# Altium PCB HOST拼板.PcbDoc (part 3 of 4) (continued)
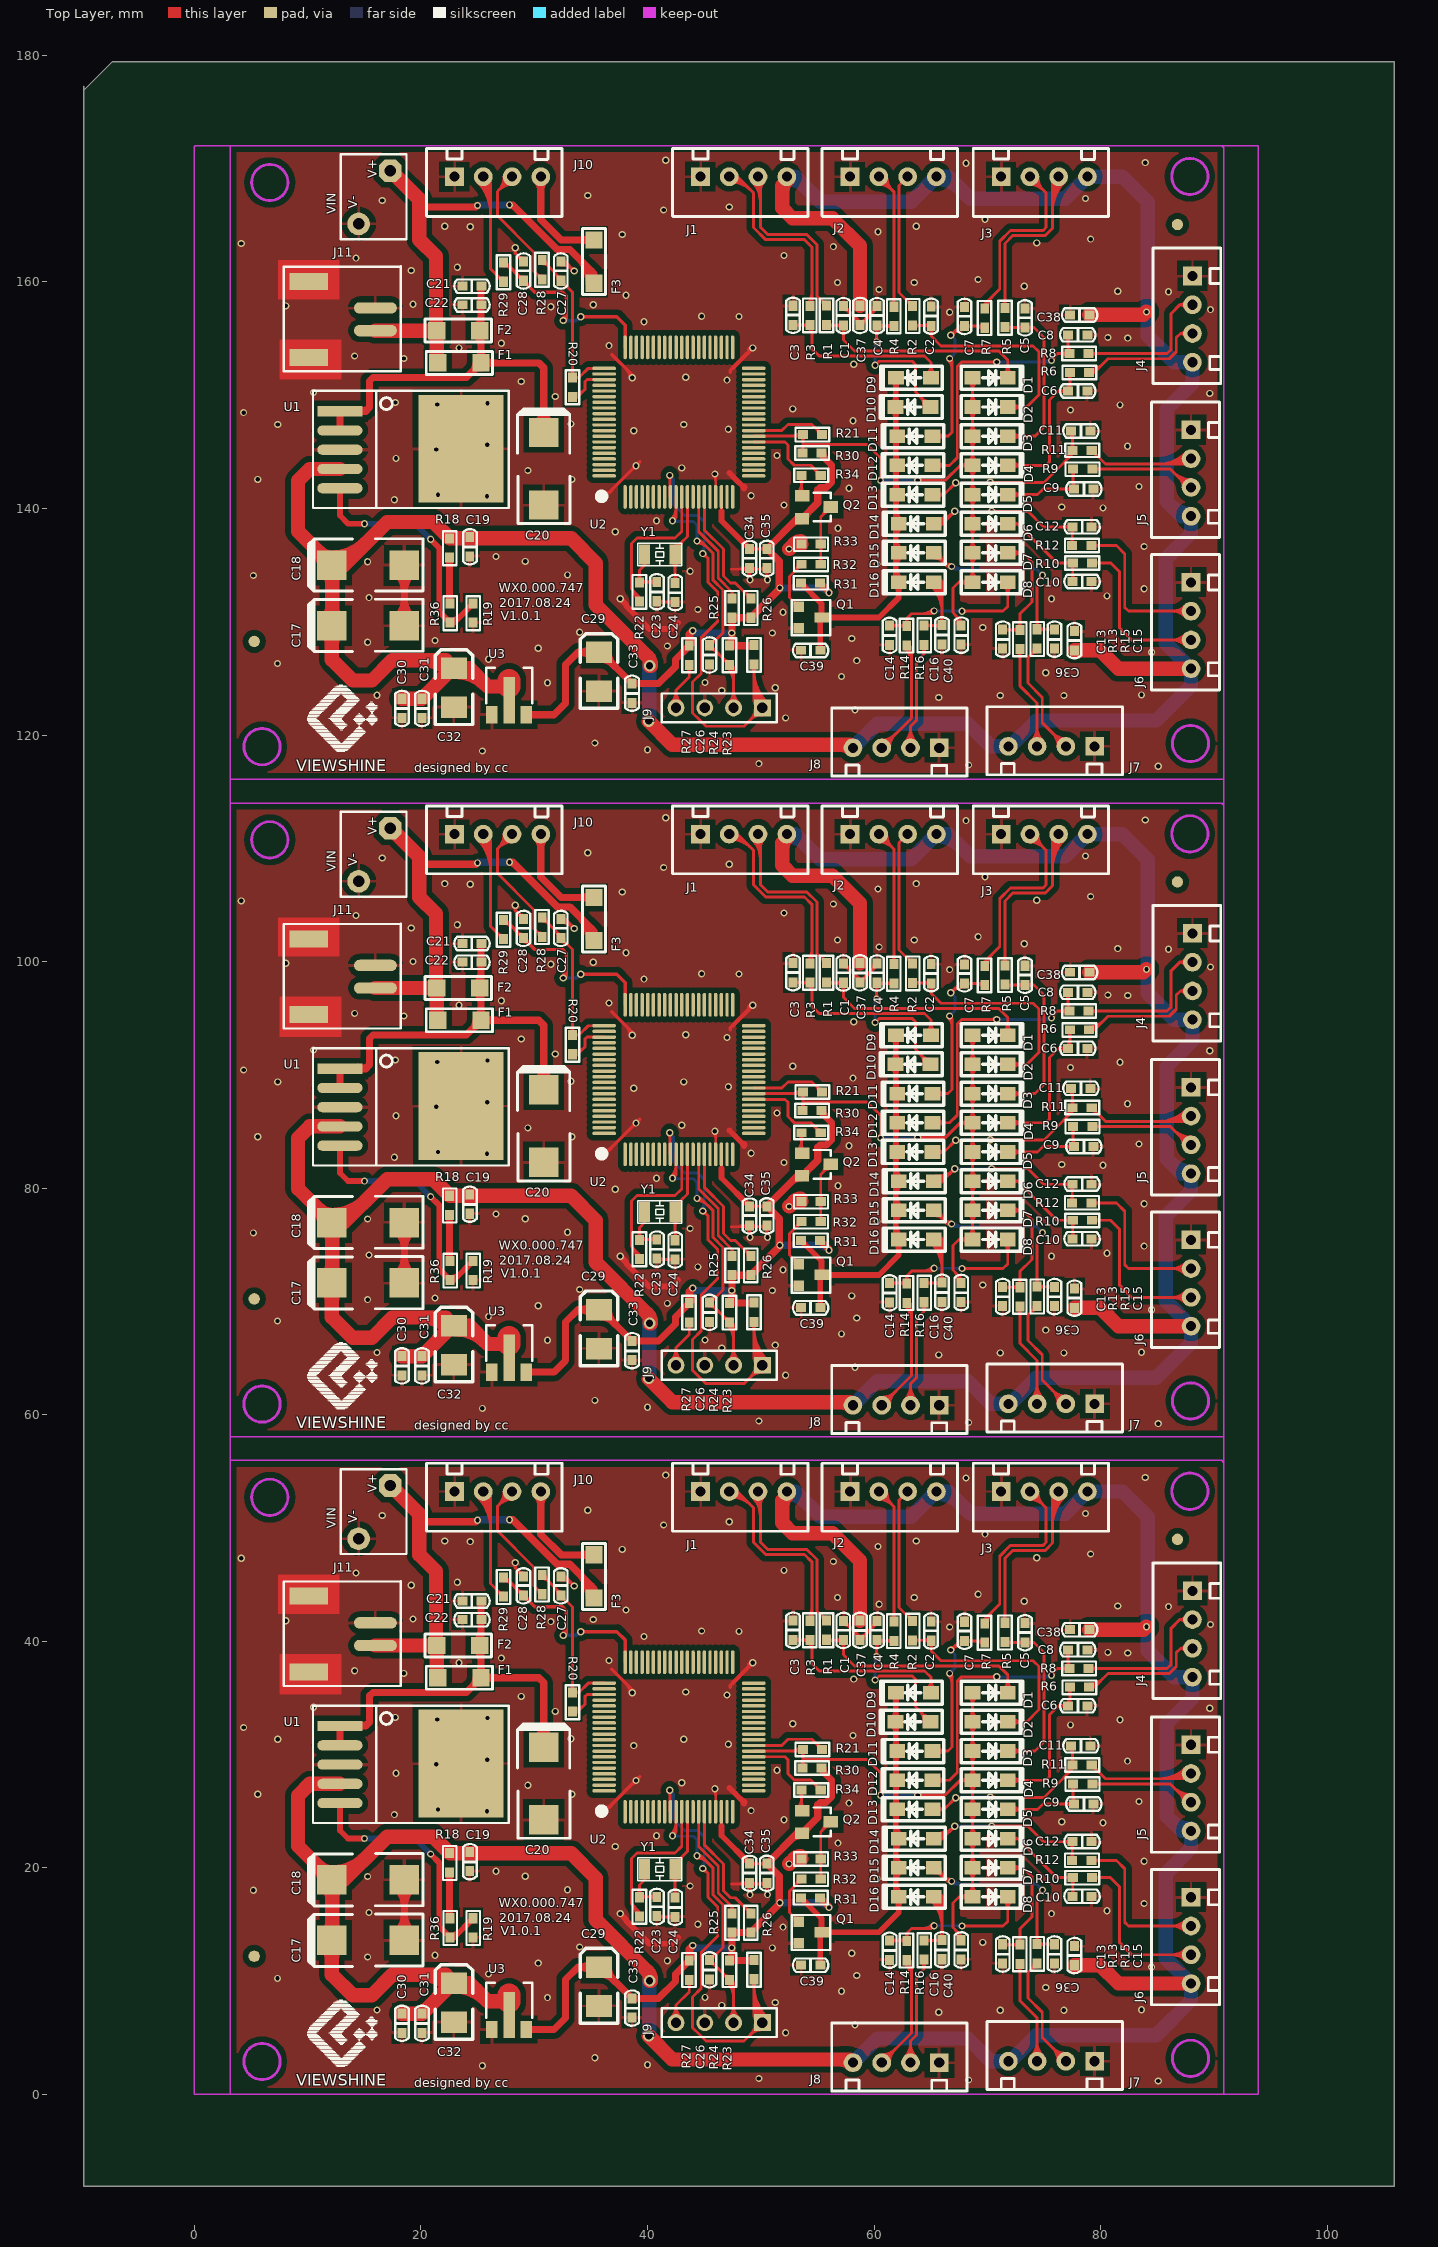
[diagram p0: Top Layer view]
## Nets (pads, with @x,y where several pads share a name; then routed paths per layer and width w, separated by ;. In a path a pad name is that pad's centre, name@x,y a point inside that pad or via, vN(x,y) a via of type N, cw(c..) or ccw(c..) an arc to the next point about the centre after c; other vN are vias at no path point) (continued)
76.813,80.34 ccw(c76.813,80.984) 77.268,80.529 ; 77.268,88.61 cw(c76.659,88.001) 77.521,88.001 ; 77.268,138.191 ccw(c76.813,137.735) 76.813,138.379 ccw(c76.813,139.023) 77.268,138.568 ; 77.268,146.649 cw(c76.659,146.04) 77.521,146.04 ; 77.307,18.938 ccw(c76.852,18.482) 76.852,19.126 ccw(c76.852,19.77) 77.307,19.315 ; 77.307,20.839 ccw(c76.852,21.294) 77.495,21.294 ccw(c78.139,21.294) 77.684,20.839 ; 77.307,76.977 ccw(c76.852,76.521) 76.852,77.165 ccw(c76.852,77.809) 77.307,77.354 ; 77.307,78.878 ccw(c76.852,79.333) 77.495,79.333 ccw(c78.139,79.333) 77.684,78.878 ; 77.307,135.016 ccw(c76.852,134.56) 76.852,135.204 ccw(c76.852,135.848) 77.307,135.393 ; 77.307,136.917 ccw(c76.852,137.372) 77.495,137.372 ccw(c78.139,137.372) 77.684,136.917 ; 77.319,22.113 cw(c76.894,21.687) 77.495,21.687 ; 77.319,80.152 cw(c76.894,79.726) 77.495,79.726 ; 77.319,138.191 cw(c76.894,137.765) 77.495,137.765 ; 77.332,29.246 ccw(c76.877,29.701) 77.521,29.701 ccw(c78.165,29.701) 77.709,29.246 ; 77.332,87.285 ccw(c76.877,87.74) 77.521,87.74 ccw(c78.165,87.74) 77.709,87.285 ; 77.332,145.324 ccw(c76.877,145.779) 77.521,145.779 ccw(c78.165,145.779) 77.709,145.324 ; 77.358,18.938 cw(c76.902,18.482) 77.546,18.482 cw(c78.19,18.482) 77.735,18.938 ; 77.358,76.977 cw(c76.902,76.521) 77.546,76.521 cw(c78.19,76.521) 77.735,76.977 ; 77.358,135.016 cw(c76.902,134.56) 77.546,134.56 cw(c78.19,134.56) 77.735,135.016 ; 77.37,17.664 ccw(c76.945,18.089) 77.546,18.089 ; 77.37,75.703 ccw(c76.945,76.128) 77.546,76.128 ; 77.37,133.742 ccw(c76.945,134.167) 77.546,134.167 ; 77.383,27.218 cw(c76.928,26.763) 77.572,26.763 cw(c78.215,26.763) 77.76,27.218 ; 77.383,85.257 cw(c76.928,84.802) 77.572,84.802 cw(c78.215,84.802) 77.76,85.257 ; 77.383,143.296 cw(c76.928,142.841) 77.572,142.841 cw(c78.215,142.841) 77.76,143.296 ; 77.421,25.44 ccw(c76.966,24.985) 76.966,25.629 ccw(c76.966,26.272) 77.421,25.817 ccw(c77.057,26.181) 77.572,26.181 ; 77.421,83.479 ccw(c76.966,83.024) 76.966,83.668 ccw(c76.966,84.311) 77.421,83.856 ccw(c77.057,84.22) 77.572,84.22 ; 77.421,141.518 ccw(c76.966,141.063) 76.966,141.707 ccw(c76.966,142.35) 77.421,141.895 ccw(c77.057,142.259) 77.572,142.259 ; 77.495,21.627 cw(c78.182,21.627) 77.696,22.113 ; 77.495,79.666 cw(c78.182,79.666) 77.696,80.152 ; 77.495,137.705 cw(c78.182,137.705) 77.696,138.191 ; 77.508,17.475 77.546,17.514 77.546,19.126 76.124,19.126 72.673,22.577 ; 77.508,75.514 77.546,75.553 77.546,77.165 76.124,77.165 72.673,80.616 ; 77.508,133.553 77.546,133.592 77.546,135.204 76.124,135.204 72.673,138.655 ; 77.521,30.269 cw(c77.947,30.269) 77.646,30.571 ; 77.521,88.308 cw(c77.947,88.308) 77.646,88.61 ; 77.521,146.347 cw(c77.947,146.347) 77.646,146.649 ; 77.546,18.149 ccw(c78.233,18.149) 77.747,17.664 ; 77.546,76.188 ccw(c78.233,76.188) 77.747,75.703 ; 77.546,134.227 ccw(c78.233,134.227) 77.747,133.742 ; 77.572,26.364 ccw(c78.345,26.364) 77.798,25.817 ; 77.572,84.403 ccw(c78.345,84.403) 77.798,83.856 ; 77.572,142.442 ccw(c78.345,142.442) 77.798,141.895 ; 78.943,37.592 85.877,37.592 86.233,37.948 86.233,41.148 86.995,41.91 ; 78.943,95.631 85.877,95.631 86.233,95.987 86.233,99.187 86.995,99.949 ; 78.943,153.67 85.877,153.67 86.233,154.026 86.233,157.226 86.995,157.988 ; 78.994,35.941 79.446,35.941 ; 78.994,93.98 79.446,93.98 ; 78.994,152.019 79.446,152.019 ; 79.045,35.954 ccw(c79.045,36.953) 79.752,36.246 ; 79.045,36.208 ccw(c79.045,37.82) 80.185,36.68 ; 79.045,93.993 ccw(c79.045,94.992) 79.752,94.285 ; 79.045,94.247 ccw(c79.045,95.859) 80.185,94.719 ; 79.045,152.032 ccw(c79.045,153.031) 79.752,152.324 ; 79.045,152.286 ccw(c79.045,153.898) 80.185,152.758 ; 79.183,37.403 cw(c79.638,36.948) 79.638,37.592 cw(c79.638,38.236) 79.183,37.781 ; 79.183,95.442 cw(c79.638,94.987) 79.638,95.631 cw(c79.638,96.275) 79.183,95.82 ; 79.183,153.481 cw(c79.638,153.026) 79.638,153.67 cw(c79.638,154.314) 79.183,153.859 ; 79.197,20.65 81.407,20.65 82.139,19.919 82.139,15.189 82.469,14.859 87.986,14.859 ; 79.197,78.689 81.407,78.689 82.139,77.958 82.139,73.228 82.469,72.898 87.986,72.898 ; 79.197,136.728 81.407,136.728 82.139,135.997 82.139,131.267 82.469,130.937 87.986,130.937 ; 79.223,29.058 80.421,27.859 87.523,27.859 87.986,28.321 ; 79.223,87.097 80.421,85.898 87.523,85.898 87.986,86.36 ; 79.223,145.136 80.421,143.937 87.523,143.937 87.986,144.399 ; 79.248,19.126 80.874,19.126 81.686,18.313 81.686,13.386 82.753,12.319 87.986,12.319 ; 79.248,77.165 80.874,77.165 81.686,76.352 81.686,71.425 82.753,70.358 87.986,70.358 ; 79.248,135.204 80.874,135.204 81.686,134.391 81.686,129.464 82.753,128.397 87.986,128.397 ; 79.273,27.407 86.157,27.407 87.782,25.781 87.986,25.781 ; 79.273,28.791 cw(c79.273,28.27) 79.642,28.638 ; 79.273,85.446 86.157,85.446 87.782,83.82 87.986,83.82 ; 79.273,86.83 cw(c79.273,86.309) 79.642,86.677 ; 79.273,143.485 86.157,143.485 87.782,141.859 87.986,141.859 ; 79.273,144.869 cw(c79.273,144.348) 79.642,144.716 ; 79.291,35.838 cw(c79.446,35.772) 79.446,35.941 ; 79.291,36.044 ccw(c79.446,36.11) 79.446,35.941 ; 79.291,93.877 cw(c79.446,93.811) 79.446,93.98 ; 79.291,94.083 ccw(c79.446,94.149) 79.446,93.98 ; 79.291,151.916 cw(c79.446,151.85) 79.446,152.019 ; 79.291,152.122 ccw(c79.446,152.188) 79.446,152.019 ; 79.437,20.462 cw(c79.892,20.006) 79.892,20.65 cw(c79.892,21.294) 79.437,20.839 ; 79.437,78.501 cw(c79.892,78.045) 79.892,78.689 cw(c79.892,79.333) 79.437,78.878 ; 79.437,136.54 cw(c79.892,136.084) 79.892,136.728 cw(c79.892,137.372) 79.437,136.917 ; 79.487,18.938 cw(c79.943,18.482) 79.943,19.126 cw(c79.943,19.77) 79.487,19.315 ; 79.487,76.977 cw(c79.943,76.521) 79.943,77.165 cw(c79.943,77.809) 79.487,77.354 ; 79.487,135.016 cw(c79.943,134.56) 79.943,135.204 cw(c79.943,135.848) 79.487,135.393 ; 79.513,27.218 cw(c79.968,26.763) 79.968,27.407 cw(c79.968,28.05) 79.513,27.595 ; 79.513,85.257 cw(c79.968,84.802) 79.968,85.446 cw(c79.968,86.089) 79.513,85.634 ; 79.513,143.296 cw(c79.968,142.841) 79.968,143.485 cw(c79.968,144.128) 79.513,143.673 ; 79.54,29.058 ccw(c80.307,29.058) 79.765,28.516 ; 79.54,87.097 ccw(c80.307,87.097) 79.765,86.555 ; 79.54,145.136 ccw(c80.307,145.136) 79.765,144.594 ; 85.183,27.859 ccw(c85.183,31.123) 87.492,28.815 ; 85.183,85.898 ccw(c85.183,89.162) 87.492,86.854 ; 85.183,143.937 ccw(c85.183,147.201) 87.492,144.893 ; 85.796,27.859 ccw(c85.796,30.51) 87.671,28.635 ; 85.796,85.898 ccw(c85.796,88.549) 87.671,86.674 ; 85.796,143.937 ccw(c85.796,146.588) 87.671,144.713 ; 86.41,27.859 ccw(c86.41,29.897) 87.851,28.456 ; 86.41,85.898 ccw(c86.41,87.936) 87.851,86.495 ; 86.41,143.937 ccw(c86.41,145.975) 87.851,144.534 ; 86.446,27.117 ccw(c87.986,28.656) 87.986,26.479 ; 86.446,85.156 ccw(c87.986,86.695) 87.986,84.519 ; 86.446,143.195 ccw(c87.986,144.734) 87.986,142.558 ; 86.88,26.683 ccw(c87.986,27.789) 87.986,26.226 ; 86.88,84.722 ccw(c87.986,85.828) 87.986,84.264 ; 86.88,142.761 ccw(c87.986,143.867) 87.986,142.303 ; 86.937,26.627 cw(c86.091,25.781) 87.287,25.781 ; 86.937,84.666 cw(c86.091,83.82) 87.287,83.82 ; 86.937,142.705 cw(c86.091,141.859) 87.287,141.859 ; 87.023,27.859 ccw(c87.023,29.284) 88.031,28.276 ; 87.023,85.898 ccw(c87.023,87.323) 88.031,86.315 ; 87.023,143.937 ccw(c87.023,145.362) 88.031,144.354 ; 87.472,39.091 ccw(c87.046,38.905) 87.046,39.37 ; 87.472,39.649 cw(c87.046,39.835) 87.046,39.37 ; 87.472,97.13 ccw(c87.046,96.944) 87.046,97.409 ; 87.472,97.688 cw(c87.046,97.874) 87.046,97.409 ; 87.472,155.169 ccw(c87.046,154.983) 87.046,155.448 ; 87.472,155.727 cw(c87.046,155.913) 87.046,155.448 ; 87.485,41.604 ccw(c86.995,41.365) 86.995,41.91 ; 87.485,42.216 cw(c86.995,42.455) 86.995,41.91 ; 87.485,99.643 ccw(c86.995,99.404) 86.995,99.949 ; 87.485,100.255 cw(c86.995,100.494) 86.995,99.949 ; 87.485,157.682 ccw(c86.995,157.443) 86.995,157.988 ; 87.485,158.294 cw(c86.995,158.533) 86.995,157.988 ; 87.492,11.825 ccw(c86.299,10.633) 86.299,12.319 ccw(c86.299,14.005) 87.492,12.813 ; 87.492,14.365 ccw(c86.299,13.173) 86.299,14.859 ccw(c86.299,16.545) 87.492,15.353 ; 87.492,69.864 ccw(c86.299,68.672) 86.299,70.358 ccw(c86.299,72.044) 87.492,70.852 ; 87.492,72.404 ccw(c86.299,71.212) 86.299,72.898 ccw(c86.299,74.584) 87.492,73.392 ; 87.492,127.903 ccw(c86.299,126.711) 86.299,128.397 ccw(c86.299,130.083) 87.492,128.891 ; 87.492,130.443 ccw(c86.299,129.251) 86.299,130.937 ccw(c86.299,132.623) 87.492,131.431 ; 87.671,12.005 ccw(c86.912,11.246) 86.912,12.319 ccw(c86.912,13.392) 87.671,12.633 ; 87.671,14.545 ccw(c86.912,13.786) 86.912,14.859 ccw(c86.912,15.932) 87.671,15.173 ; 87.671,70.044 ccw(c86.912,69.285) 86.912,70.358 ccw(c86.912,71.431) 87.671,70.672 ; 87.671,72.584 ccw(c86.912,71.825) 86.912,72.898 ccw(c86.912,73.971) 87.671,73.212 ; 87.671,128.083 ccw(c86.912,127.324) 86.912,128.397 ccw(c86.912,129.47) 87.671,128.711 ; 87.671,130.623 ccw(c86.912,129.864) 86.912,130.937 ccw(c86.912,132.01) 87.671,131.251 ; 88.113,39.37 87.046,39.37 ; 88.113,41.91 86.995,41.91 ; 88.113,97.409 87.046,97.409 ; 88.113,99.949 86.995,99.949 ; 88.113,155.448 87.046,155.448 ; 88.113,157.988 86.995,157.988 ; 33.376,41.046 33.376,35.484 33.96,35.484 ; 33.376,99.085 33.376,93.523 33.96,93.523 ; 33.376,157.124 33.376,151.562 33.96,151.562 ; 33.833,33.782 34.468,34.417 ; 33.833,91.821 34.468,92.456 ; 33.833,149.86 34.468,150.495 ; 44.704,21.057 45.799,19.962 45.799,17.591 46.66,16.73 46.66,12.954 45.555,11.849 45.504,11.849 ; 44.704,79.096 45.799,78.001 45.799,75.63 46.66,74.769 46.66,70.993 45.555,69.888 45.504,69.888 ; 44.704,137.135 45.799,136.04 45.799,133.669 46.66,132.808 46.66,129.032 45.555,127.927 45.504,127.927 ; 48.833,18.417 ccw(c48.5,18.083) 48.5,18.555 cw(c48.5,18.083) 48.833,18.417 ; 48.833,76.456 ccw(c48.5,76.122) 48.5,76.594 cw(c48.5,76.122) 48.833,76.456 ; 48.833,134.495 ccw(c48.5,134.161) 48.5,134.633 cw(c48.5,134.161) 48.833,134.495 ; 67.513,17.424 68.707,17.424 68.707,20.001 68.707,22.577 68.707,25.153 68.707,27.73 ; 67.513,75.463 68.707,75.463 68.707,78.04 68.707,80.616 68.707,83.192 68.707,85.769 ; 67.513,133.502 68.707,133.502 68.707,136.079 68.707,138.655 68.707,141.231 68.707,143.808 ; 67.608,27.73 68.707,27.73 ; 67.608,85.769 68.707,85.769 ; 67.608,143.808 68.707,143.808 ; 79.446,35.941 80.645,37.14 86.065,37.14 86.685,37.76 86.685,39.009 87.046,39.37 ; 79.446,93.98 80.645,95.179 86.065,95.179 86.685,95.799 86.685,97.048 87.046,97.409 ; 79.446,152.019 80.645,153.218 86.065,153.218 86.685,153.838 86.685,155.087 87.046,155.448 ; 48.257,18.555 ccw(c48.257,19.371) 48.833,18.794 cw(c48.257,19.371) 48.257,18.555 ; 48.257,76.594 ccw(c48.257,77.41) 48.833,76.833 cw(c48.257,77.41) 48.257,76.594 ; 48.257,134.633 ccw(c48.257,135.449) 48.833,134.872 cw(c48.257,135.449) 48.257,134.633 ; 64.02,33.86 cw(c63.042,32.882) 64.426,32.882 ccw(c63.042,32.882) 64.02,33.86 ; 64.02,91.899 cw(c63.042,90.921) 64.426,90.921 ccw(c63.042,90.921) 64.02,91.899 ; 64.02,149.938 cw(c63.042,148.96) 64.426,148.96 ccw(c63.042,148.96) 64.02,149.938 ; 64.262,33.619 ccw(c64.899,34.256) 64.899,33.355 cw(c64.899,34.256) 64.262,33.619 ; 64.262,91.658 ccw(c64.899,92.295) 64.899,91.394 cw(c64.899,92.295) 64.262,91.658 ; 64.262,149.697 ccw(c64.899,150.334) 64.899,149.433 cw(c64.899,150.334) 64.262,149.697 ; 64.454,33.427 cw(c63.909,32.882) 64.68,32.882 ccw(c63.909,32.882) 64.454,33.427 ; 64.454,91.466 cw(c63.909,90.921) 64.68,90.921 ccw(c63.909,90.921) 64.454,91.466 ; 64.454,149.505 cw(c63.909,148.96) 64.68,148.96 ccw(c63.909,148.96) 64.454,149.505
  Top Layer w0.305: 20.054,5.461 20.091,5.423 ; 20.054,63.5 20.091,63.462 ; 20.054,121.539 20.091,121.501 ; 27.28,45.352 cw(c27.28,44.248) 28.06,45.029 ; 27.28,45.644 27.444,45.644 29.058,44.031 30.061,43.028 32.512,43.028 32.842,42.697 32.842,40.792 v1(32.563,40.513) ; 27.28,103.391 cw(c27.28,102.287) 28.06,103.068 ; 27.28,103.683 27.444,103.683 29.058,102.07 30.061,101.067 32.512,101.067 32.842,100.736 32.842,98.831 v1(32.563,98.552) ; 27.28,161.43 cw(c27.28,160.326) 28.06,161.107 ; 27.28,161.722 27.444,161.722 29.058,160.109 30.061,159.106 32.512,159.106 32.842,158.775 32.842,156.87 v1(32.563,156.591) ; v1@28.204,46.822 cw(c27.922,46.541) 28.321,46.541 cw(c28.72,46.541) v1@28.438,46.822 ; v1@28.204,104.861 cw(c27.922,104.58) 28.321,104.58 cw(c28.72,104.58) v1@28.438,104.861 ; v1@28.204,162.9 cw(c27.922,162.619) 28.321,162.619 cw(c28.72,162.619) v1@28.438,162.9 ; v1(28.321,46.939) 28.321,46.469 29.058,45.732 ; v1(28.321,104.978) 28.321,104.508 29.058,103.771 ; v1(28.321,163.017) 28.321,162.547 29.058,161.81 ; 28.559,44.529 ccw(c29.058,45.028) 29.058,44.323 ; 28.559,46.231 ccw(c29.058,46.73) 29.058,46.025 ; 28.559,102.568 ccw(c29.058,103.067) 29.058,102.362 ; 28.559,104.27 ccw(c29.058,104.769) 29.058,104.064 ; 28.559,160.607 ccw(c29.058,161.106) 29.058,160.401 ; 28.559,162.309 ccw(c29.058,162.808) 29.058,162.103 ; 28.682,44.407 cw(c28.356,44.081) 28.816,44.081 ; 28.682,46.108 cw(c28.356,45.783) 28.816,45.783 ; 28.682,102.446 cw(c28.356,102.12) 28.816,102.12 ; 28.682,104.147 cw(c28.356,103.822) 28.816,103.822 ; 28.682,160.485 cw(c28.356,160.159) 28.816,160.159 ; 28.682,162.186 cw(c28.356,161.861) 28.816,161.861 ; 29.058,43.739 cw(c29.058,43.033) 29.556,43.532 ; 29.058,101.778 cw(c29.058,101.072) 29.556,101.571 ; 29.058,159.817 cw(c29.058,159.111) 29.556,159.61 ; 29.299,43.98 ccw(c29.759,43.98) 29.434,43.655 ; 29.299,102.019 ccw(c29.759,102.019) 29.434,101.694 ; 29.299,160.058 ccw(c29.759,160.058) 29.434,159.733 ; 32.36,45.44 cw(c32.36,43.968) v1@33.401,45.009 ; 32.36,45.732 32.677,45.732 v1(33.528,44.882) ; 32.36,45.745 cw(c32.36,45.009) 32.88,45.529 ; 32.36,103.479 cw(c32.36,102.007) v1@33.401,103.048 ; 32.36,103.771 32.677,103.771 v1(33.528,102.921) ; 32.36,103.784 cw(c32.36,103.048) 32.88,103.568 ; 32.36,161.518 cw(c32.36,160.046) v1@33.401,161.087 ; 32.36,161.81 32.677,161.81 v1(33.528,160.96) ; 32.36,161.823 cw(c32.36,161.087) 32.88,161.607 ; v1@32.446,40.63 ccw(c31.49,41.586) 32.842,41.586 ; v1@32.446,98.669 ccw(c31.49,99.625) 32.842,99.625 ; v1@32.446,156.708 ccw(c31.49,157.664) 32.842,157.664 ; v1@32.662,40.414 ccw(c32.226,40.85) 32.842,40.85 ; v1@32.662,98.453 ccw(c32.226,98.889) 32.842,98.889 ; v1@32.662,156.492 ccw(c32.226,156.928) 32.842,156.928 ; v1@33.363,44.882 ccw(c32.964,44.882) 33.246,45.164 ccw(c33.528,45.445) v1@33.528,45.047 ; v1@33.363,102.921 ccw(c32.964,102.921) 33.246,103.203 ccw(c33.528,103.484) v1@33.528,103.086 ; v1@33.363,160.96 ccw(c32.964,160.96) 33.246,161.242 ccw(c33.528,161.523) v1@33.528,161.125 ; v1(34.112,40.843) 37.287,40.843 38.023,40.107 38.023,38.147 ; v1(34.112,98.882) 37.287,98.882 38.023,98.146 38.023,96.186 ; v1(34.112,156.921) 37.287,156.921 38.023,156.185 38.023,154.225 ; v1@34.229,40.726 cw(c34.511,40.445) 34.511,40.843 cw(c34.511,41.242) v1@34.229,40.96 ; v1@34.229,98.765 cw(c34.511,98.484) 34.511,98.882 cw(c34.511,99.281) v1@34.229,98.999 ; v1@34.229,156.804 cw(c34.511,156.523) 34.511,156.921 cw(c34.511,157.32) v1@34.229,157.038 ; 36.17,25.324 36.601,25.324 36.995,25.717 ; 36.17,83.363 36.601,83.363 36.995,83.757 ; 36.17,141.402 36.601,141.402 36.995,141.796 ; 36.83,25.552 36.995,25.717 ; 36.83,83.591 36.995,83.757 ; 36.83,141.63 36.995,141.796 ; 36.855,37.516 38.659,35.712 v1(38.659,35.458) ; 36.855,95.555 38.659,93.751 v1(38.659,93.497) ; 36.855,153.594 38.659,151.79 v1(38.659,151.536) ; 38.197,36.174 cw(c37.482,35.458) v1@38.494,35.458 ; 38.197,94.213 cw(c37.482,93.497) v1@38.494,93.497 ; 38.197,152.252 cw(c37.482,151.536) v1@38.494,151.536 ; v1@38.814,27.702 cw(c38.416,27.702) 38.698,27.42 cw(c38.979,27.138) v1@38.979,27.537 ; v1@38.814,85.741 cw(c38.416,85.741) 38.698,85.459 cw(c38.979,85.177) v1@38.979,85.576 ; v1@38.814,143.78 cw(c38.416,143.78) 38.698,143.498 cw(c38.979,143.216) v1@38.979,143.615 ; v1@38.979,27.867 ccw(c38.979,28.266) 39.261,27.984 ccw(c39.543,27.702) v1@39.145,27.702 ; v1@38.979,85.906 ccw(c38.979,86.305) 39.261,86.023 ccw(c39.543,85.741) v1@39.145,85.741 ; v1@38.979,143.945 ccw(c38.979,144.344) 39.261,144.062 ccw(c39.543,143.78) v1@39.145,143.78 ; 39.319,28.042 v1(38.979,27.702) 36.995,25.717 ; 39.319,86.081 v1(38.979,85.741) 36.995,83.757 ; 39.319,144.12 v1(38.979,143.78) 36.995,141.796 ; 47.32,35.941 47.32,36.119 48.781,37.579 ; 47.32,93.98 47.32,94.158 48.781,95.618 ; 47.32,152.019 47.32,152.197 48.781,153.657 ; 57.302,41.503 cw(c57.302,40.798) 57.801,41.297 ; 57.302,41.795 58.759,40.339 58.759,40.12 60.266,41.627 60.266,41.795 ; 57.302,99.542 cw(c57.302,98.837) 57.801,99.336 ; 57.302,99.834 58.759,98.378 58.759,98.159 60.266,99.666 60.266,99.834 ; 57.302,157.581 cw(c57.302,156.876) 57.801,157.375 ; 57.302,157.873 58.759,156.417 58.759,156.198 60.266,157.705 60.266,157.873 ; 57.544,41.745 ccw(c58.004,41.745) 57.678,41.419 ; 57.544,99.784 ccw(c58.004,99.784) 57.678,99.458 ; 57.544,157.823 ccw(c58.004,157.823) 57.678,157.497 ; 58.227,40.871 cw(c57.527,40.17) 58.517,40.17 ; 58.227,98.91 cw(c57.527,98.209) 58.517,98.209 ; 58.227,156.949 cw(c57.527,156.248) 58.517,156.248 ; 58.759,40.412 ccw(c58.759,41.117) 59.257,40.618 ; 58.759,98.451 ccw(c58.759,99.156) 59.257,98.657 ; 58.759,156.49 ccw(c58.759,157.195) 59.257,156.696 ; 59,40.17 cw(c59.46,40.17) 59.135,40.496 ; 59,98.209 cw(c59.46,98.209) 59.135,98.535 ; 59,156.248 cw(c59.46,156.248) 59.135,156.574 ; 59.77,41.131 ccw(c59.157,41.745) 60.024,41.745 ; 59.77,99.17 ccw(c59.157,99.784) 60.024,99.784 ; 59.77,157.209 ccw(c59.157,157.823) 60.024,157.823
  Top Layer w0.381: 47.498,36.297 48.781,37.579 48.997,37.795 48.997,37.973 ; 47.498,94.336 48.781,95.618 48.997,95.834 48.997,96.012 ; 47.498,152.375 48.781,153.657 48.997,153.873 48.997,154.051
  Top Layer w0.508: 12.709,25.57 cw(c12.375,25.235) 12.848,25.235 cw(c13.321,25.235) 12.986,25.57 ; 12.709,83.609 cw(c12.375,83.274) 12.848,83.274 cw(c13.321,83.274) 12.986,83.609 ; 12.709,141.648 cw(c12.375,141.313) 12.848,141.313 cw(c13.321,141.313) 12.986,141.648 ; 12.848,25.708 12.848,23.296 13.564,22.581 v1(15.011,22.581) ; 12.848,83.747 12.848,81.335 13.564,80.62 v1(15.011,80.62) ; 12.848,141.786 12.848,139.374 13.564,138.659 v1(15.011,138.659) ; v1(20.853,21.209) 21.615,20.447 21.615,14.808 22.581,13.843 22.911,13.843 24.613,15.545 ; v1(20.853,79.248) 21.615,78.486 21.615,72.847 22.581,71.882 22.911,71.882 24.613,73.584 ; v1(20.853,137.287) 21.615,136.525 21.615,130.886 22.581,129.921 22.911,129.921 24.613,131.623 ; 22.255,14.168 ccw(c22.581,14.493) 22.581,14.034 ccw(c22.581,15.291) 23.469,14.402 ; 22.255,72.207 ccw(c22.581,72.532) 22.581,72.072 ccw(c22.581,73.33) 23.469,72.441 ; 22.255,130.246 ccw(c22.581,130.571) 22.581,130.112 ccw(c22.581,131.369) 23.469,130.48 ; 24.287,15.22 cw(c24.613,14.894) 24.613,15.354 ; 24.287,73.259 cw(c24.613,72.933) 24.613,73.393 ; 24.287,131.298 cw(c24.613,130.972) 24.613,131.432 ; v1(37.592,15.951) 38.125,15.418 38.125,15.316 40.157,13.284 42.139,13.284 42.697,13.843 ; v1(37.592,73.99) 38.125,73.457 38.125,73.355 40.157,71.323 42.139,71.323 42.697,71.882 ; v1(37.592,132.029) 38.125,131.496 38.125,131.394 40.157,129.362 42.139,129.362 42.697,129.921 ; 46.533,23.686 46.533,22.847 49.022,20.358 ; 46.533,81.725 46.533,80.886 49.022,78.397 ; 46.533,139.764 46.533,138.925 49.022,136.436 ; 47.244,27.051 47.783,26.512 48.514,25.781 48.514,25.679 ; 47.244,85.09 47.783,84.551 48.514,83.82 48.514,83.718 ; 47.244,143.129 47.783,142.59 48.514,141.859 48.514,141.757 ; 48.697,20.683 ccw(c49.022,21.008) 49.022,20.548 ; 48.697,78.722 ccw(c49.022,79.047) 49.022,78.587 ; 48.697,136.761 ccw(c49.022,137.086) 49.022,136.626 ; 53.543,17.348 55.372,15.519 55.372,14.3 ; 53.543,75.387 55.372,73.558 55.372,72.339 ; 53.543,133.426 55.372,131.597 55.372,130.378 ; 53.734,17.348 ccw(c54.194,17.348) 53.868,17.023 ; 53.734,75.387 ccw(c54.194,75.387) 53.868,75.062 ; 53.734,133.426 ccw(c54.194,133.426) 53.868,133.101 ; 55.051,14.157 cw(c54.55,13.656) 55.258,13.656 ; 55.051,72.196 cw(c54.55,71.695) 55.258,71.695 ; 55.051,130.235 cw(c54.55,129.734) 55.258,129.734 ; 55.228,14.444 ccw(c54.881,14.791) 55.372,14.791 ccw(c55.863,14.791) 55.516,14.444 ; 55.228,72.483 ccw(c54.881,72.83) 55.372,72.83 ccw(c55.863,72.83) 55.516,72.483 ; 55.228,130.522 ccw(c54.881,130.869) 55.372,130.869 ccw(c55.863,130.869) 55.516,130.522 ; 55.258,11.405 55.258,14.186 55.372,14.3 ; 55.258,69.444 55.258,72.225 55.372,72.339 ; 55.258,127.483 55.258,130.264 55.372,130.378 ; 55.693,14.157 cw(c56.04,13.81) 56.04,14.3 cw(c56.04,14.791) 55.693,14.444 ; 55.693,72.196 cw(c56.04,71.849) 56.04,72.339 cw(c56.04,72.83) 55.693,72.483 ; 55.693,130.235 cw(c56.04,129.888) 56.04,130.378 cw(c56.04,130.869) 55.693,130.522 ; 61.654,32.637 cw(c61.002,31.985) 61.924,31.985 ; 61.654,33.127 ccw(c61.002,33.779) 61.924,33.779 ; 61.654,90.676 cw(c61.002,90.024) 61.924,90.024 ; 61.654,91.166 ccw(c61.002,91.818) 61.924,91.818 ; 61.654,148.715 cw(c61.002,148.063) 61.924,148.063 ; 61.654,149.205 ccw(c61.002,149.857) 61.924,149.857 ; 61.679,35.214 cw(c61.089,34.623) 61.924,34.623 cw(c62.759,34.623) 62.169,35.214 ; 61.679,93.253 cw(c61.089,92.662) 61.924,92.662 cw(c62.759,92.662) 62.169,93.253 ; 61.679,151.292 cw(c61.089,150.701) 61.924,150.701 cw(c62.759,150.701) 62.169,151.292 ; 61.706,24.909 cw(c61.181,24.383) 61.924,24.383 ; 61.706,25.398 ccw(c61.181,25.923) 61.924,25.923 ; 61.706,27.485 cw(c61.181,26.959) 61.924,26.959 ; 61.706,27.974 ccw(c61.181,28.5) 61.924,28.5 ; 61.706,30.061 cw(c61.181,29.536) 61.924,29.536 ; 61.706,30.55 ccw(c61.181,31.076) 61.924,31.076 ; 61.706,82.948 cw(c61.181,82.422) 61.924,82.422 ; 61.706,83.437 ccw(c61.181,83.962) 61.924,83.962 ; 61.706,85.524 cw(c61.181,84.998) 61.924,84.998 ; 61.706,86.013 ccw(c61.181,86.539) 61.924,86.539 ; 61.706,88.1 cw(c61.181,87.575) 61.924,87.575 ; 61.706,88.589 ccw(c61.181,89.115) 61.924,89.115 ; 61.706,140.987 cw(c61.181,140.461) 61.924,140.461 ; 61.706,141.476 ccw(c61.181,142.001) 61.924,142.001 ; 61.706,143.563 cw(c61.181,143.037) 61.924,143.037 ; 61.706,144.052 ccw(c61.181,144.578) 61.924,144.578 ; 61.706,146.139 cw(c61.181,145.614) 61.924,145.614 ; 61.706,146.628 ccw(c61.181,147.154) 61.924,147.154 ; 61.924,18.632 ccw(c63.285,18.632) 62.323,17.669 ; 61.924,18.794 cw(c63.285,18.794) 62.323,19.756 ; 61.924,21.208 ccw(c63.285,21.208) 62.323,20.245 ; 61.924,21.37 cw(c63.285,21.37) 62.323,22.332 ; 61.924,23.784 ccw(c63.285,23.784) 62.323,22.822 ; 61.924,24.253 cw(c62.851,24.253) 62.196,24.909 ; 61.924,26.054 ccw(c62.851,26.054) 62.196,25.398 ; 61.924,26.829 cw(c62.851,26.829) 62.196,27.485 ; 61.924,28.63 ccw(c62.851,28.63) 62.196,27.974 ; 61.924,29.405 cw(c62.851,29.405) 62.196,30.061 ; 61.924,31.206 ccw(c62.851,31.206) 62.196,30.55 ; 61.924,32.108 cw(c62.673,32.108) 62.143,32.637 ; 61.924,33.656 ccw(c62.673,33.656) 62.143,33.127 ; 61.924,35.458 61.924,30.306 61.924,17.678 62.178,17.424 62.178,16.052 60.427,14.3 55.372,14.3 ; 61.924,76.671 ccw(c63.285,76.671) 62.323,75.708 ; 61.924,76.833 cw(c63.285,76.833) 62.323,77.795 ; 61.924,79.247 ccw(c63.285,79.247) 62.323,78.284 ; 61.924,79.409 cw(c63.285,79.409) 62.323,80.371 ; 61.924,81.823 ccw(c63.285,81.823) 62.323,80.861 ; 61.924,82.292 cw(c62.851,82.292) 62.196,82.948 ; 61.924,84.093 ccw(c62.851,84.093) 62.196,83.437 ; 61.924,84.868 cw(c62.851,84.868) 62.196,85.524 ; 61.924,86.669 ccw(c62.851,86.669) 62.196,86.013 ; 61.924,87.444 cw(c62.851,87.444) 62.196,88.1 ; 61.924,89.245 ccw(c62.851,89.245) 62.196,88.589 ; 61.924,90.147 cw(c62.673,90.147) 62.143,90.676 ; 61.924,91.695 ccw(c62.673,91.695) 62.143,91.166 ; 61.924,93.497 61.924,88.345 61.924,75.717 62.178,75.463 62.178,74.091 60.427,72.339 55.372,72.339 ; 61.924,134.71 ccw(c63.285,134.71) 62.323,133.747 ; 61.924,134.872 cw(c63.285,134.872) 62.323,135.834 ; 61.924,137.286 ccw(c63.285,137.286) 62.323,136.323 ; 61.924,137.448 cw(c63.285,137.448) 62.323,138.41 ; 61.924,139.862 ccw(c63.285,139.862) 62.323,138.9 ; 61.924,140.331 cw(c62.851,140.331) 62.196,140.987 ; 61.924,142.132 ccw(c62.851,142.132) 62.196,141.476 ; 61.924,142.907 cw(c62.851,142.907) 62.196,143.563 ; 61.924,144.708 ccw(c62.851,144.708) 62.196,144.052 ; 61.924,145.483 cw(c62.851,145.483) 62.196,146.139 ; 61.924,147.284 ccw(c62.851,147.284) 62.196,146.628 ; 61.924,148.186 cw(c62.673,148.186) 62.143,148.715 ; 61.924,149.734 ccw(c62.673,149.734) 62.143,149.205 ; 61.924,151.536 61.924,146.384 61.924,133.756 62.178,133.502 62.178,132.13 60.427,130.378 55.372,130.378 ; 61.933,17.18 cw(c61.343,16.589) 62.178,16.589 cw(c63.013,16.589) 62.423,17.18 ; 61.933,75.219 cw(c61.343,74.628) 62.178,74.628 cw(c63.013,74.628) 62.423,75.219 ; 61.933,133.258 cw(c61.343,132.667) 62.178,132.667 cw(c63.013,132.667) 62.423,133.258